# KiCad board brew-keeb-v2.kicad_pcb (continued)
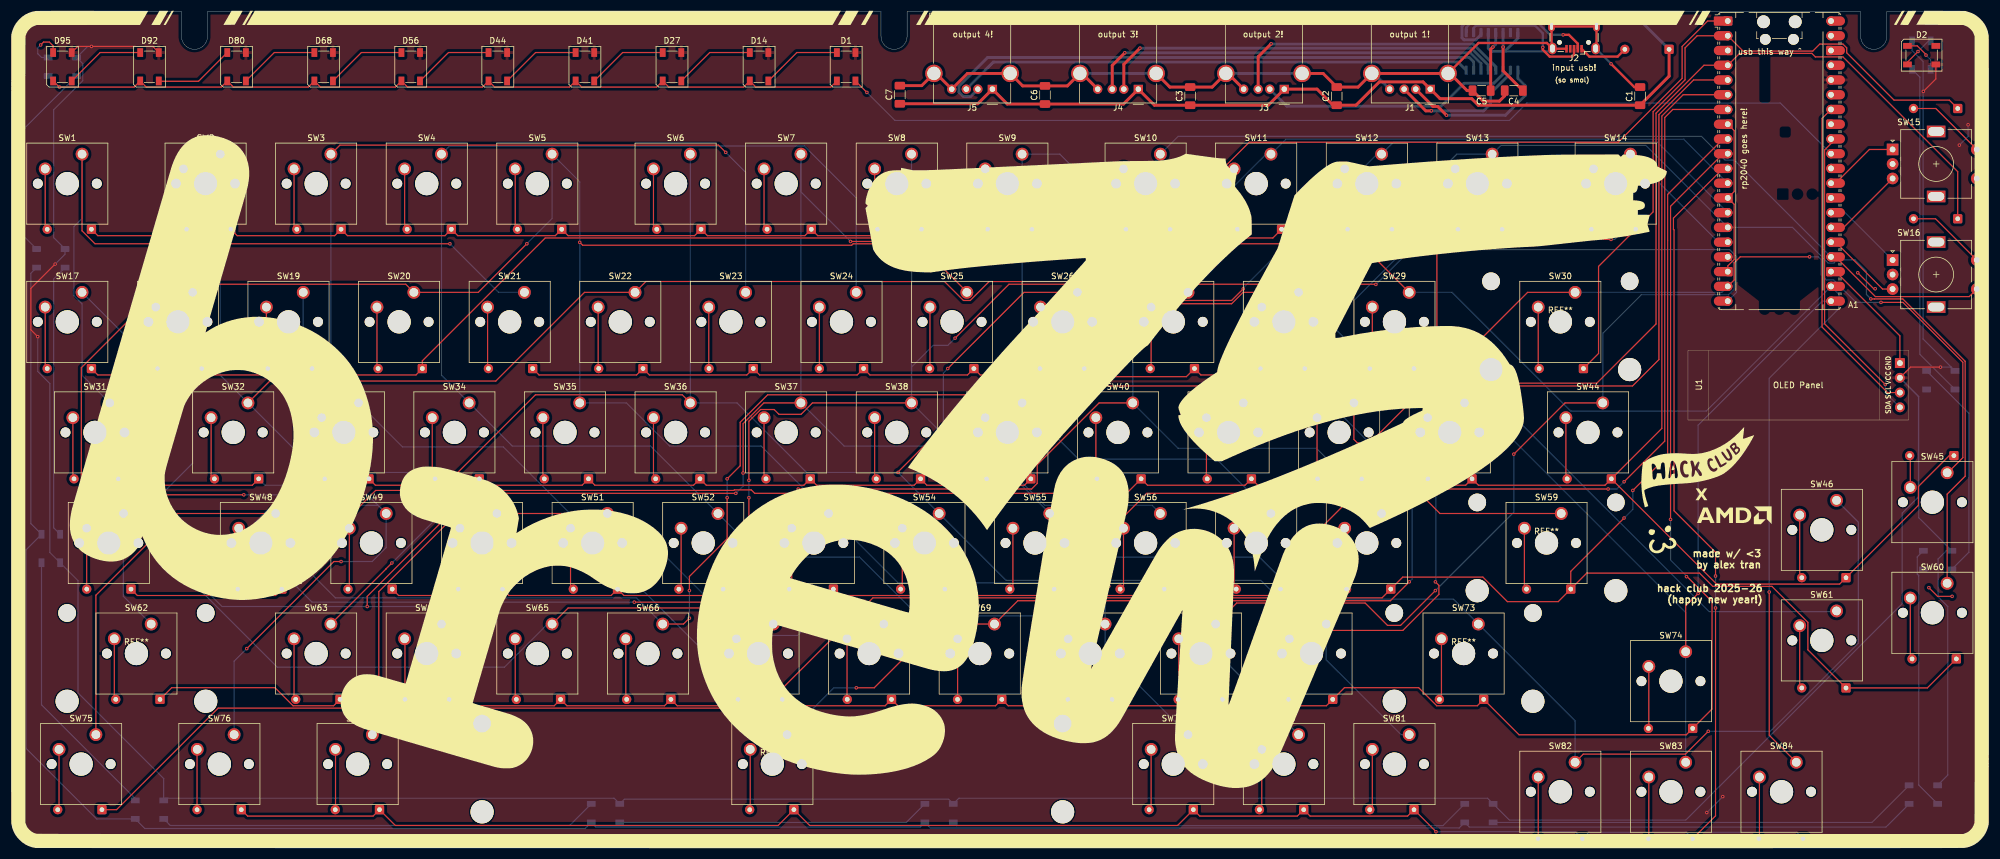
[diagram p0: board, top side]
## Nets (continued)
ROW 2: A1.2 D17.1 D18.1 D19.1 D20.1 D21.1 D22.1 D23.1 D24.1 D25.1 D26.1
ROW 3: A1.4 D31.1 D32.1 D33.1 D34.1 D35.1 D36.1 D37.1 D38.1 D39.1 D40.1
ROW 4: A1.5 D47.1 D48.1 D49.1 D50.1 D51.1 D52.1 D53.1 D54.1 D55.1
ROW 5: A1.6 D59.1 D60.1 D61.1 D62.1 D63.1 D64.1 D65.1 D66.1 D67.1
ROW 6: A1.7 D71.1 D72.1 D73.1 D74.1 D75.1 D76.1 D77.1 D78.1 D79.1
ROW 7: A1.9 D83.1 D84.1 D85.1 D86.1 D87.1 D88.1 D89.1 D90.1 D91.1
ROW 8: A1.10 D98.1 D99.1 D100.1 D101.1 D102.1 D103.1 D104.1 D105.1 D106.1
ROW 9: A1.11 D110.1 D111.1 D112.1 D113.1 D114.1 D115.1 D116.1 D117.1 D118.1
SCL: A1.34 U1.3
SDA: A1.32 U1.4
Net-(D1-DOUT): D1.4 D14.2
Net-(D4-A): D4.2 SW1.2
Net-(D5-A): D5.2 SW2.2
Net-(D6-A): D6.2 SW3.2
Net-(D7-A): D7.2 SW4.2
Net-(D8-A): D8.2 SW5.2
Net-(D9-A): D9.2 SW6.2
Net-(D10-A): D10.2 SW7.2
Net-(D11-A): D11.2 SW8.2
Net-(D12-A): D12.2 SW9.2
Net-(D13-A): D13.2 SW10.2
Net-(D14-DOUT): D14.4 D27.2
Net-(D15-DIN): D15.2 D28.4
Net-(D15-DOUT): D2.2 D15.4
Net-(D17-A): D17.2 SW11.2
Net-(D18-A): D18.2 SW12.2
Net-(D19-A): D19.2 SW13.2
Net-(D20-A): D20.2 SW14.2
Net-(D21-A): D21.2 SW20.2
Net-(D22-A): D22.2 SW30.2
Net-(D23-A): D23.2 SW17.2
Net-(D24-A): D24.2 SW18.2
Net-(D25-A): D25.2 SW19.2
Net-(D27-DOUT): D27.4 D41.2
Net-(D28-DIN): D28.2 D42.4
Net-(D30-A): D30.2 J2.1
Net-(D31-A): D31.2 SW21.2
Net-(D32-A): D32.2 SW22.2
Net-(D33-A): D33.2 SW23.2
Net-(D34-A): D34.2 SW24.2
Net-(D35-A): D35.2 SW25.2
Net-(D36-A): D36.2 SW26.2
Net-(D37-A): D37.2 SW27.2
Net-(D38-A): D38.2 SW28.2
Net-(D39-A): D39.2 SW29.2
Net-(D41-DOUT): D41.4 D44.2
Net-(D42-DIN): D42.2 D45.4
Net-(D44-DOUT): D44.4 D56.2
Net-(D45-DIN): D45.2 D57.4
Net-(D47-A): D47.2 SW31.2
Net-(D48-A): D48.2 SW32.2
Net-(D49-A): D49.2 SW33.2
Net-(D50-A): D50.2 SW34.2
Net-(D51-A): D51.2 SW35.2
Net-(D52-A): D52.2 SW36.2
Net-(D53-A): D53.2 SW37.2
Net-(D54-A): D54.2 SW38.2
Net-(D55-A): D55.2 SW39.2
Net-(D56-DOUT): D56.4 D68.2
Net-(D57-DIN): D57.2 D69.4
Net-(D59-A): D59.2 SW40.2
Net-(D60-A): D60.2 SW41.2
Net-(D61-A): D61.2 SW42.2
Net-(D62-A): D62.2 SW43.2
Net-(D63-A): D63.2 SW44.2
Net-(D64-A): D64.2 SW45.2
Net-(D65-A): D65.2 SW46.2
Net-(D66-A): D66.2 SW47.2
Net-(D67-A): D67.2 SW48.2
Net-(D68-DOUT): D68.4 D80.2
Net-(D69-DIN): D69.2 D81.4
Net-(D71-A): D71.2 SW49.2
Net-(D72-A): D72.2 SW50.2
Net-(D73-A): D73.2 SW51.2
Net-(D74-A): D74.2 SW52.2
Net-(D75-A): D75.2 SW53.2
Net-(D76-A): D76.2 SW54.2
Net-(D77-A): D77.2 SW55.2
Net-(D78-A): D78.2 SW56.2
Net-(D79-A): D79.2 SW57.2
Net-(D80-DOUT): D80.4 D92.2
Net-(D81-DIN): D81.2 D93.4
Net-(D83-A): D83.2 SW58.2
Net-(D84-A): D84.2 SW59.2
Net-(D85-A): D85.2 SW60.2
Net-(D86-A): D86.2 SW61.2
Net-(D87-A): D87.2 SW62.2
Net-(D88-A): D88.2 SW63.2
Net-(D89-A): D89.2 SW64.2
Net-(D90-A): D90.2 SW65.2
Net-(D91-A): D91.2 SW66.2
Net-(D92-DOUT): D92.4 D95.2
Net-(D93-DIN): D93.2 D96.4
Net-(D98-A): D98.2 SW67.2
Net-(D99-A): D99.2 SW68.2
Net-(D100-A): D100.2 SW69.2
Net-(D101-A): D101.2 SW70.2
Net-(D102-A): D102.2 SW71.2
Net-(D103-A): D103.2 SW72.2
Net-(D104-A): D104.2 SW73.2
Net-(D105-A): D105.2 SW74.2
Net-(D106-A): D106.2 SW75.2
Net-(D107-DIN): D95.4 D107.2
Net-(D107-DOUT): D107.4 D108.2
Net-(D108-DOUT): D96.2 D108.4
Net-(D110-A): D110.2 SW76.2
Net-(D111-A): D111.2 SW77.2
Net-(D112-A): D112.2 SW78.2
Net-(D113-A): D113.2 SW79.2
Net-(D114-A): D114.2 SW80.2
Net-(D115-A): D115.2 SW81.2
Net-(D116-A): D116.2 SW82.2
Net-(D117-A): D117.2 SW83.2
Net-(D118-A): D118.2 SW84.2
Net-(J1-D+): J1.3 U2.2
Net-(J1-D-): J1.2 U2.1
Net-(J3-D+): J3.3 U2.4
Net-(J3-D-): J3.2 U2.3
Net-(J4-D+): J4.3 U2.6
Net-(J4-D-): J4.2 U2.5
Net-(J5-D+): J5.3 U2.8
Net-(J5-D-): J5.2 U2.7
Net-(U2-VDD3): C5.1 U2.13
Net-(U2-VDD18): C4.1 U2.14

Pads without a net: A1 30 33 35 37 39 40; D2 4; J2 4; SW15 MP; SW16 MP; U2 15

## Via types
v1: diameter 0.6, hole 0.3, Top to Bottom, 97 vias

## Routing (per net, layer and track width the routed paths; a pad name or vN(x,y) marks a point on that pad's centre or on a via; arc(x,y) is an arc through that point)
+3.3V: length 682.3
  Top w0.2: D95.3 11.4,138 v1(13.75,138) 24.3,138 D92.3 ; v1(332.25,82.75) 327.1,82.75 U1.2 ; 54.3,138 54.3,138 ; v1(7.5,100.5) 3.31,96.31 3.31,89.19 v1(4.5,88) ; 331.9,134.9 D2.3 331.45,132.4 v1(329.3,130.25)
  Bottom w0.2: v1(337,124.5) 337,122.5 v1(335.5,121) ; v1(4.5,88) 4.5,82 6.59,79.91 6.59,50.81 D96.3 11.44,45.96 11.44,26.62 26.2,11.85 D93.3 26.57,8.47 103.78,8.47 D81.3 105.55,8.3 161.4,8.3 D69.3 163.17,8.47 254.23,8.47 D57.3 258,4.7 288.36,4.7 325.65,41.99 325.65,57.59 328.45,60.39 328.45,77.71 U1.2 328.5,77.66 328.5,56.8 D42.3 333.25,51.1 331.83,49.68 331.83,43.17 333.5,41.5 333.5,12.45 D45.3 ; D15.3 327.35,137.3 329.25,135.4 329.25,87.6 334.05,82.8 ; 334.05,82.8 D28.3 ; 334.05,82.8 334,82.75 v1(332.25,82.75) ; v1(13.75,138) 13.1,138 D107.3 12.25,135.05 12.25,132.1 7.24,127.09 7.24,105.06 D108.3 9.2,102.2 v1(7.5,100.5) ; v1(292,6) v1(294.75,8.75)
+5V: length 193.9
  Top w0.5: C7.1 166.42,128.12 J5.1 171.5,128.08 C6.1 191.52,128.08 J4.1 196.85,127.87 C3.1 216.45,127.87 J3.1 224.86,130.64 227.63,127.87 C2.1 231.57,127.87 235.59,131.89 243.11,131.89 J1.1 244.41,130.64 246.05,129 251.51,129 252.63,127.87 C1.1 285.5,132.87 D30.1
  Bottom w0.5: D30.1 279.96,143.04 251.42,143.04 249.83,141.46 249.83,139.48 250.17,139.14 252.21,139.14 253.1,140.02 U2.11
GND: length 628.8
  Top w0.2: A1.8 296.71,123.5 296.71,113 A1.13 296.71,110.8 296.71,101.28 295.61,100.18 A1.18 ; v1(334.25,43.25) 331.75,43.25 v1(330.25,44.75) ; A1.23 314.19,99.2 325.25,88.14 325.25,83.44 ; v1(321,96.25) 320.75,96.25 v1(318,99) ; 7.15,131.65 D95.1 8.2,131 21.1,131 D92.1 23.2,131 36.1,131 D80.1 38.2,131 51.1,131 D68.1 53.2,131 66.1,131 D56.1 68.2,131 81.1,131 D44.1 83.2,131 96.1,131 D41.1 98.2,131 111.1,131 D27.1 113.2,131 126.1,131 D14.1 128.2,131 141.1,131 D1.1 ; v1(329.75,136.5) 329.75,136.6 328.25,138.1 D2.1
  Bottom w0.2: D107.1 8.2,131 ; D45.1 322.85,3.5 251.1,3.5 D57.1 249.35,3.35 158.25,3.35 D69.1 156.5,3.5 100.65,3.5 D81.1 98.8,3.25 22.95,3.25 D93.1 14.65,4.9 2.5,17.05 2.5,51.3 D96.1 3.31,55.79 3.31,98.91 D108.1 ; D15.1 330.55,135.7 v1(329.75,136.5)
  vias: v1(8.25,131)
GND1: length 195.9
  Top w0.4: v1(275.5,135) 279.5,131 C1.2 ; J2.6 273,137.8 J2.6 J2.6 265.25,137.8 J2.6 ; J1.5 252.68,138.6 264.45,138.6 J2.6 ; J2.6 265.45,137.6 J2.5
  Top w0.5: C4.2 257.19,129.49 256.27,128.57 253.46,128.57 C5.2 ; J3.5 225.9,133.35 C2.2 231.94,131 J1.5 J1.5 247.75,133.35 250.71,130.39 251.11,130.39 ; C7.2 156.77,131.25 J5.5 159.23,133.35 J5.4 164.65,133.35 J5.5 174.16,131.2 C6.2 181.86,131.2 J4.5 184.37,133.35 J4.4 ; J3.4 209.51,133.35 J3.5 206.8,131 C3.2 199.5,131 J4.5
  Bottom w0.4: 257.22,137.15 264.9,137.15 J2.6 ; J2.6 v1(275.5,135)
  Bottom w0.5: J4.5 J4.5 ; J1.4 234.65,133.35 J1.5 ; J5.4 161.58,130.64 ; U2.16 259.44,139.38 257.22,137.15 254.84,137.15 254.37,137.62 U2.12 ; J3.5 J3.5
COL 1: length 659.8
  Top w0.2: v1(135.5,61.75) 175.7,61.75 176.66,62.71 176.66,65.92 187.32,76.58 SW40.1 ; v1(107.25,42.25) 127.43,42.25 SW67.1 ; v1(130.25,51.25) v1(130.25,44.75) ; v1(56.75,49.25) 55.5,49.25 v1(40.5,34.25) ; v1(40,60.75) 19.23,60.75 16.9,63.09 SW31.1 ; v1(75.5,104) 14.36,104 12.13,106.23 SW1.1
  Bottom w0.2: v1(40,60.75) 61.3,60.75 SW49.1 ; A1.12 288.05,122 219.48,122 SW11.1 216.08,119.44 193.11,96.47 SW40.1 200.94,68.75 224.75,68.75 SW58.1 ; v1(56.75,49.25) 62.11,49.25 64.52,51.67 SW49.1 ; SW67.1 131.2,43.8 v1(130.25,44.75) ; v1(130.25,51.25) 130.25,56.5 v1(135.5,61.75) ; SW49.1 63.12,58.93 44.89,58.93 40.58,54.62 40.58,51.48 41.96,50.1 43.91,50.1 51.76,42.25 v1(107.25,42.25) ; SW21.1 83.87,95.63 v1(75.5,104) ; v1(40.5,34.25) 38.33,32.08 SW76.1 ; SW1.1 12.13,108.36 10.73,106.96 10.73,95.05 12.13,93.65 12.13,81.34 SW31.1
COL 2: length 589.2
  Top w0.2: SW59.1 246.02,57.53 v1(242.53,61.03) ; v1(103.5,55.25) 97.99,55.25 95.71,57.53 SW50.1 76.7,57.53 63.25,44.08 v1(63.25,27.75) ; SW32.1 44.48,80.35 83.4,80.35 98.68,95.63 SW22.1 109.25,97.5 149.98,97.5 149.99,97.49 160.69,97.49 163.95,94.23 165.12,94.23 168.38,97.49 198.79,97.49 202.05,94.23 210.14,94.23 v1(212.16,96.25)
  Bottom w0.2: SW50.1 76.5,64.6 52.69,64.6 SW32.1 35.95,81.34 SW2.1 ; v1(63.25,27.75) 63.25,20.54 SW77.1 ; v1(103.5,55.25) 107.52,55.25 126.25,36.52 135.4,36.52 137.36,38.48 SW68.1 ; v1(242.53,61.03) 226.97,76.58 SW41.1 v1(212.16,96.25) 212.16,96.41 235.19,119.44 SW12.1 238.03,121.5 283.47,121.5 A1.14
COL 3: length 590.7
  Top w0.2: v1(240.75,45.75) 237.5,42.5 173.32,42.5 SW69.1 159.57,38.48 148.59,27.5 v1(145.5,27.5) ; SW42.1 231.21,70.29 v1(232,69.5) ; SW60.1 333.4,60.86 336.5,63.96 336.5,83.75 325.75,94.5 320.86,94.5 320.86,94.5 v1(320.25,94.5) ; v1(231.25,84.5) v1(231.25,87.75) ; v1(123,119.75) 121.75,121 56.56,121 SW3.1
  Bottom w0.2: v1(232,69.5) 241.25,60.25 241.25,46.25 v1(240.75,45.75) ; SW42.1 231.21,84.46 v1(231.25,84.5) ; v1(231.25,87.75) 231.25,94.25 246.2,109.2 246.2,116.7 248.94,119.44 SW13.1 256.53,120.95 281.48,120.95 A1.15 306.75,106.82 312.93,100.64 313.85,100.64 314.46,101.25 317.5,101.25 319.5,99.25 319.5,95.25 v1(320.25,94.5) ; v1(123,119.75) 126.44,116.31 SW23.1 ; SW3.1 55,81.34 SW33.1 67.34,69 84.69,69 96.16,57.53 SW51.1 102.62,50.39 SW78.1 141.65,27.5 v1(145.5,27.5)
COL 4: length 553.2
  Top w0.2: v1(189,45) 189,54.45 195.55,61 v1(227.75,61) ; v1(245.5,82.25) 245.5,103.5 246.75,104.75 v1(275.5,104.75) ; v1(256.42,76.58) SW43.1 240.83,76.58 v1(227.75,63.5)
  Bottom w0.2: SW70.1 188.35,44.35 v1(189,45) ; SW70.1 188.35,33.72 SW79.1 ; SW70.1 186.95,39.88 156.19,39.88 146.07,50 129.2,50 SW52.1 110.05,69.15 86.24,69.15 SW34.1 74.05,81.34 SW4.1 75.45,120.84 136.54,120.84 145.49,111.9 SW24.1 ; v1(256.42,76.58) 292.37,40.63 314.24,40.63 SW61.1 ; v1(245.5,82.25) 250.26,77.49 SW43.1 ; v1(275.5,104.75) 276.11,104.75 278.83,107.47 SW14.1 294,104.28 A1.16 ; v1(227.75,63.5) v1(227.75,61)
COL 5: length 554.1
  Top w0.2: v1(97.86,104.25) 98.36,103.75 144.7,103.75 144.95,104 156.25,104 164.53,95.72 SW25.1 ; v1(19.25,55) 12.01,62.24 12.01,82.64 26.39,97.03 67.88,97.03 SW20.1 80.38,95.63 v1(88.75,104) ; v1(245.25,44.25) 239.25,38.25 237,38.25 233.15,42.1 211.02,42.1 SW71.1 ; SW44.1 267.58,76.58 v1(258.75,67.75)
  Bottom w0.2: v1(245.25,44.25) 258.75,57.75 v1(258.75,67.75) ; v1(19.25,55) 19.25,43.27 SW62.1 ; SW80.1 207.4,33.72 SW71.1 200.28,45.6 152.65,45.6 SW53.1 129.1,69.15 113.34,69.15 105.91,76.58 SW35.1 v1(97.86,104.25) 97.86,114.68 SW5.1 93.1,108.35 v1(88.75,104) ; A1.17 296.72,100.63 296.72,96.21 295.74,95.23 280.73,95.23 274.07,88.57 SW44.1
COL 6: length 514.4
  Top w0.2: v1(65.5,49) 64.5,48 64.5,47.98 SW63.1 ; SW45.1 333.5,64.55 336.1,67.15 336.1,83.58 325.78,93.9 v1(322,93.9) ; v1(160.5,72.5) 152.7,64.7 v1(152.7,64.6) ; SW26.1 174.38,95.63 v1(161.25,82.5) ; v1(245.25,45.75) 245.85,45.15 245.85,43.6 239.63,37.38 227.55,37.38 SW72.1 ; v1(75.75,63.5) 90.23,77.98 115.51,77.98 SW36.1 ; A1.19 296.72,97.77 296.72,100.71 297.76,101.75 v1(309.7,101.75) ; v1(246,80.58) 246.08,80.58 261.13,95.63 SW30.1
  Bottom w0.2: SW30.1 294.58,95.63 A1.19 ; v1(160.5,72.5) 160.5,81.75 v1(161.25,82.5) ; SW6.1 SW36.1 124.96,76.58 136.94,64.6 v1(152.7,64.6) SW54.1 171.3,46 215.17,46 222.69,38.48 SW72.1 226.45,32.3 239.32,19.43 SW81.1 ; v1(322,93.9) 317.71,93.9 313.85,97.76 312.59,97.76 311.7,98.65 311.7,101.29 311.24,101.75 v1(309.7,101.75) ; v1(246,80.58) 246,80.5 245.31,79.81 245.31,45.81 v1(245.25,45.75) ; v1(65.5,49) 75.75,59.25 v1(75.75,63.5)
COL 7: length 675.9
  Top w0.2: v1(61.25,41.5) 61.25,43.25 79,61 v1(124.75,61) ; SW37.1 129.58,76.58 126,73 v1(126,64.5) ; SW82.1 270.71,16.07 288.32,16.07 v1(292.25,20) ; v1(235,97) 234.97,97.03 204.04,97.03 SW27.1 193.87,104.4 v1(144.5,104.4)
  Bottom w0.2: v1(235,97) 241,103 295.91,103 297.12,101.79 297.12,95.63 A1.20 ; v1(144.5,104.4) 135.96,112.94 SW7.1 SW37.1 143.39,69.15 167.2,69.15 SW55.1 186.35,50 214.95,50 222.2,42.75 248.37,42.75 SW73.1 269.31,21.81 SW82.1 ; v1(292.25,20) 302.93,20 318.09,35.16 318.09,56.05 SW46.1 ; v1(126,64.5) 126,62.25 v1(124.75,61) ; SW64.1 71.03,41.5 v1(61.25,41.5) 36.25,41.5 20.68,57.07 20.68,87.09 SW17.1
COL 8: length 589.7
  Top w0.2: v1(127,60.25) 127,53 124.5,50.5 v1(124.5,44.5) ; SW74.1 288.36,41.61 v1(290.5,43.75) ; v1(123.75,41.25) 95.87,41.25 SW65.1 ; v1(127,63.25) 127,73.43 129.01,75.44 131.35,75.44 132.17,74.62 135.98,74.62 137.94,76.58 SW38.1 ; v1(22.5,57.5) 22.47,57.53 SW47.1 ; v1(162.51,87.74) 171.8,97.03 194.33,97.03 197.69,93.67 210.15,93.67 212.11,95.63 SW28.1
  Bottom w0.2: SW28.1 232.84,84.48 244.35,84.48 288.36,40.46 SW74.1 SW83.1 ; SW47.1 45.76,31.05 84.88,31.05 92.31,38.48 SW65.1 ; A1.21 311.87,94.12 290.5,72.75 v1(290.5,43.75) ; SW38.1 155.01,82.76 158.74,86.49 161.26,86.49 v1(162.51,87.74) ; SW38.1 161.59,70 166.92,70 177.99,58.93 196.47,58.93 SW56.1 ; SW38.1 SW8.1 ; v1(124.5,44.5) 124.5,42 v1(123.75,41.25) ; v1(127,60.25) v1(127,63.25) ; v1(22.5,57.5) 31.19,66.19 SW18.1
COL 9: length 621.1
  Top w0.2: v1(116.75,44.25) 116.75,46.69 123.25,53.19 v1(123.25,60.25) ; SW66.1 115.73,38.48 v1(116.75,39.5) ; SW75.1 14.52,43.45 28.6,57.53 SW48.1 49,61.06 v1(49,79.75) ; v1(302.75,44) 302.75,19.33 SW84.1 ; v1(196,104) 232.37,104 SW29.1 ; SW39.1 172.66,77.98 130.23,77.98 125.5,73.25 125.5,65.75 v1(123.25,63.5)
  Bottom w0.2: v1(302.75,44) 302.75,80.84 314.75,92.84 314.75,95.3 A1.22 291.91,75.18 268.56,75.18 248.11,95.63 SW29.1 ; v1(116.75,44.25) v1(116.75,39.5) ; v1(196,104) 180.56,119.44 SW9.1 SW39.1 183.75,66.89 207.57,66.89 SW57.1 ; SW66.1 107.63,43 55.76,43 45.47,53.29 SW48.1 ; v1(49,79.75) 50.23,80.98 SW19.1 ; v1(123.25,63.5) v1(123.25,60.25)
COL 10: length 173.2
  Top w0.2: SW15.S1 339.8,113.95 339.8,97.5 SW16.S1 337.2,94.9 321.03,94.9 A1.24
  Bottom w0.2: A1.24 296.71,118.42 295.15,118.42 291.07,122.5 200.93,122.5 SW10.1
IN+: length 23.7
  Top w0.4: J2.3 269.12,136.55 268.82,136.25 264.93,136.25 263.75,137.43 v1(263.75,137.85)
  Bottom w0.4: U2.10 251.82,141.19 252.23,141.59 262.41,141.59 263.75,140.25 v1(263.75,137.85)
  Bottom w0.5: 251.82,140.76 U2.10
IN-: length 23
  Top w0.4: J2.2 269.77,138.47 268.25,140 v1(267.25,140)
  Bottom w0.4: v1(267.25,140) 264.99,140 262.7,142.29 251.59,142.29 250.56,141.26 U2.9
KNB-1-A: length 12.2
  Top w0.2: A1.29 320,120.25 SW15.A
KNB-1-B: length 13.3
  Top w0.2: SW15.B 315.57,106.82 A1.26
KNB-1-OUT: length 13.8
  Top w0.2: D40.2 331.39,108.31 SW16.S2
KNB-2-A: length 14
  Bottom w0.2: A1.27 315.84,109.36 SW16.A
KNB-2-B: length 13.2
  Top w0.2: SW16.B 322.27,96.2 A1.25
KNB-2-OUT: length 13.8
  Top w0.2: SW15.S2 331.44,127.31 D26.2
LED: length 175.7
  Top w0.2: v1(147.32,130.07) D1.2
  Bottom w0.2: A1.31 304.66,128.25 261,128.25 258,125.25 152.15,125.25 v1(147.32,130.07)
ROW 1: length 308.2
  Top w0.2: A1.1 292.13,142.38 287.75,138 287.75,132.5 276.75,121.5 213.19,121.5 199.56,107.87 D13.1 198.46,105.4 176.85,105.4 D12.1 174.65,105.4 157.85,105.4 D11.1 155.65,105.4 138.85,105.4 D10.1 136.65,105.4 119.85,105.4 D9.1 117.65,105.4 95.85,105.4 D8.1 93.65,105.4 76.85,105.4 D7.1 74.65,105.4 57.85,105.4 D6.1 55.65,105.4 38.85,105.4 D5.1 36.65,105.4 14.85,105.4 D4.1
ROW 2: length 398.4
  Top w0.2: D26.1 333.77,128.75 324.25,128.75 316.1,136.9 316.1,137.76 315.45,138.41 311.45,138.41 310.25,137.2 298.25,137.2 A1.2 ; D20.1 282.75,109.5 282.75,126.75 288.25,132.25 288.25,137.75 290.34,139.84 A1.2 ; D20.1 278.65,105.4 257.85,105.4 D19.1 255.65,105.4 238.85,105.4 D18.1 236.65,105.4 219.85,105.4 D17.1 217.25,105 91.91,105 70.75,83.84 D21.1 69.65,81.4 52.85,81.4 D25.1 50.65,81.4 33.85,81.4 D24.1 31.65,81.4 14.85,81.4 D23.1 ; D20.1 273.35,100.1 273.35,85.1 D22.1
ROW 3: length 314.6
  Top w0.2: D31.1 90.85,81.4 107.65,81.4 D32.1 109.85,81.4 126.65,81.4 D33.1 128.85,81.4 145.65,81.4 D34.1 147.85,81.4 164.65,81.4 D35.1 166.85,81.4 183.65,81.4 D36.1 186.15,81.1 202.35,81.1 D37.1 204.85,81.4 221.65,81.4 D38.1 223.85,81.4 240.46,81.4 D39.1 244.08,79.98 273.05,79.98 283.25,90.18 283.25,126.5 291.51,134.76 A1.4 ; D40.1 335.21,116.43 315.45,136.19 310.69,136.19 310.08,136.8 297.65,136.8 A1.4
ROW 4: length 339.2
  Top w0.2: D48.1 41.46,62.4 19.47,62.4 D47.1 ; A1.5 289.72,132.22 283.75,126.25 283.75,84.05 279.2,79.5 187.75,79.5 175.56,67.31 D55.1 174.46,62.4 157.66,62.4 D54.1 155.46,62.4 138.66,62.4 D53.1 136.46,62.4 119.66,62.4 D52.1 117.46,62.4 100.47,62.4 D51.1 98.27,62.4 81.66,62.4 D50.1 79.46,62.4 62.66,62.4 D49.1
  Bottom w0.2: D49.1 60.46,62.4 43.66,62.4 D48.1
ROW 5: length 424.2
  Top w0.2: D66.1 21.66,43.4 45.46,43.4 D67.1 46.56,45.36 62.7,61.5 124.4,61.5 124.5,61.6 127.4,61.6 128,61 192.06,61 D59.1 195.66,62.4 212.46,62.4 D60.1 214.66,62.4 231.46,62.4 D61.1 233.66,62.4 250.46,62.4 D62.1 252.66,62.4 274.46,62.4 D63.1 ; D63.1 284.25,72.19 284.25,126 287.93,129.68 A1.6 ; D63.1 293.69,45.37 314.87,45.37 D65.1 328.45,58.95 328.45,62.19 333.76,67.5 D64.1
ROW 6: length 305.5
  Top w0.2: v1(277.75,63) 284.75,70 284.75,125.75 286.14,127.14 A1.7 ; D71.1 66.66,43.4 83.46,43.4 D72.1 85.66,43.4 103.27,43.4 D73.1 105.47,43.4 121.46,43.4 D74.1 123.66,43.4 140.46,43.4 D75.1 142.66,43.4 159.65,43.4 D76.1 161.85,43.4 178.46,43.4 D77.1 180.66,43.4 197.46,43.4 D78.1 199.66,43.4 217.46,43.4 D79.1 218.56,48.06 232.25,61.75 v1(275,61.75)
  Bottom w0.2: v1(275,61.75) 276.5,61.75 v1(277.75,63)
ROW 7: length 429.6
  Top w0.2: v1(279.25,61.5) 285.25,67.5 285.25,112.5 A1.9 ; v1(277.75,56.75) 268.56,47.56 D84.1 ; D84.1 266.4,42.34 257.65,42.34 253.42,46.57 239.63,46.57 D83.1 236.06,43 148.36,43 129.76,24.4 114.66,24.4 D91.1 112.46,24.4 95.66,24.4 D90.1 93.46,24.4 76.47,24.4 D89.1 74.27,24.4 57.66,24.4 D88.1 55.46,24.4 48.48,24.4 45.36,27.52 27.58,27.52 D87.1 ; D84.1 271.31,47.25 290.75,47.25 293.03,44.97 303.21,44.97 309.4,38.78 309.4,34.05 D86.1 329.98,27.47 D85.1
  Bottom w0.2: v1(279.25,61.5) 279.25,58.25 v1(277.75,56.75)
ROW 8: length 399.2
  Top w0.2: v1(285.75,56.5) 285.75,110.46 A1.10 ; v1(288.5,46.65) 288.6,46.65 292.9,42.35 292.9,23.84 D105.1 288.46,19.4 259.66,19.4 D104.1 252.46,24.4 245.48,24.4 242.36,27.52 229.58,27.52 D103.1 226.46,24.4 209.66,24.4 D102.1 207.46,24.4 190.66,24.4 D101.1 188.46,24.4 171.66,24.4 D100.1 169.46,24.4 152.66,24.4 D99.1 150.46,24.4 133.85,24.4 D98.1 131.25,24 35.58,24 18.08,6.5 D106.1
  Bottom w0.2: v1(288.5,46.65) 288.5,46.75 285.75,49.5 v1(285.75,56.5)
ROW 9: length 403.8
  Top w0.2: v1(293.5,46.75) 293.5,50.85 286.35,58 286.35,106.4 286.25,106.5 286.25,108.42 A1.11 ; D110.1 40.66,5.4 62.27,5.4 D111.1 66.09,3.78 132.03,3.78 D112.1 137.47,3.78 200.84,3.78 D113.1 204.66,5.4 221.46,5.4 D114.1 223.66,5.4 240.46,5.4 D115.1 245.35,2.71 v1(245.35,2.7) ; v1(293.5,41.25) 293.5,5.44 D117.1
  Bottom w0.2: v1(245.35,2.7) 269.36,2.7 D116.1 271.66,2.6 288.46,2.6 D117.1 290.66,2.6 307.46,2.6 D118.1 ; v1(293.5,46.75) v1(293.5,41.25)
SCL: length 56.2
  Top w0.2: A1.34 311.85,125.6 311.85,89.65 323.13,78.36 325.25,78.36
SDA: length 52.4
  Top w0.2: v1(322.75,79.75) 312.28,90.22 312.28,120.15 A1.32
  Bottom w0.2: v1(322.75,79.75) 322.75,78.33 U1.4
Net-(D1-DOUT): length 13.8
  Top w0.2: D14.2 135.25,136.95 D1.4
Net-(D4-A): length 10.5
  Top w0.2: SW1.2 5.78,106.84 D4.2
Net-(D5-A): length 10.6
  Top w0.2: D5.2 29.6,107.03 SW2.2
Net-(D6-A): length 10.6
  Top w0.2: D6.2 48.65,106.98 SW3.2
Net-(D7-A): length 10.6
  Top w0.2: D7.2 67.7,106.93 SW4.2
Net-(D8-A): length 10.6
  Top w0.2: SW5.2 86.75,106.88 D8.2
Net-(D9-A): length 10.6
  Top w0.2: D9.2 110.56,107.07 SW6.2
Net-(D10-A): length 10.6
  Top w0.2: D10.2 129.61,107.02 SW7.2
Net-(D11-A): length 10.6
  Top w0.2: SW8.2 148.66,106.97 D11.2
Net-(D12-A): length 10.6
  Top w0.2: D12.2 167.71,106.92 SW9.2
Net-(D13-A): length 10.6
  Top w0.2: D13.2 191.52,106.92 SW10.2
Net-(D14-DOUT): length 13.8
  Top w0.2: D27.2 120.25,136.95 D14.4
Net-(D15-DIN): length 58.2
  Bottom w0.2: D15.2 328.7,132.7 328.7,84.95 D28.4
Net-(D15-DOUT): length 5.9
  Top w0.2: D2.2 326.55,135.3 v1(328.38,137.12)
  Bottom w0.2: D15.4 330.2,138.95 v1(328.38,137.12)
Net-(D17-A): length 10.6
  Top w0.2: D17.2 210.57,107.06 SW11.2
Net-(D18-A): length 10.6
  Top w0.2: SW12.2 229.62,107.01 D18.2
Net-(D19-A): length 10.6
  Top w0.2: SW13.2 248.67,106.96 D19.2
Net-(D20-A): length 10.5
  Top w0.2: D20.2 272.49,106.86 272.49,116.9
Net-(D21-A): length 10.7
  Top w0.2: SW20.2 62.94,82.69 D21.2
Net-(D22-A): length 10.7
  Top w0.2: SW30.2 262.96,82.67 D22.2
Net-(D23-A): length 10.7
  Top w0.2: D23.2 5.78,82.84 SW17.2
Net-(D24-A): length 10.7
  Top w0.2: D24.2 24.84,82.8 SW18.2
Net-(D25-A): length 10.7
  Top w0.2: SW19.2 43.89,82.75 D25.2
Net-(D27-DOUT): length 13.8
  Top w0.2: D27.4 105.25,136.95 D41.2
Net-(D28-DIN): length 38.4
  Bottom w0.2: D42.4 337.14,50.84 337.14,74.81 D28.2
Net-(D30-A): length 8.5
  Top w0.4: J2.1 271.78,136.25 276.63,136.25 D30.2
Net-(D31-A): length 10.7
  Top w0.2: SW21.2 81.98,82.64 D31.2
Net-(D32-A): length 10.6
  Top w0.2: D32.2 101.03,82.59 SW22.2
Net-(D33-A): length 10.6
  Top w0.2: SW23.2 120.09,82.55 D33.2
Net-(D34-A): length 10.6
  Top w0.2: D34.2 139.13,82.5 139.13,93.09
Net-(D35-A): length 10.6
  Top w0.2: D35.2 158.19,82.56 SW25.2
Net-(D36-A): length 10.6
  Top w0.2: SW26.2 177.24,82.61 D36.2
Net-(D37-A): length 10.7
  Top w0.2: D37.2 196.28,82.66 SW27.2
Net-(D38-A): length 10.7
  Top w0.2: D38.2 215.34,82.7 SW28.2
Net-(D39-A): length 10.8
  Top w0.2: SW29.2 234.38,82.94 D39.2
Net-(D41-DOUT): length 13.8
  Top w0.2: D44.2 90.25,136.95 D41.4
Net-(D42-DIN): length 45.5
  Bottom w0.2: D42.2 328.25,50.05 328.25,47.1 328.5,46.85 328.5,10.75 D45.4
Net-(D44-DOUT): length 13.8
  Top w0.2: D56.2 75.25,136.95 D44.4
Net-(D45-DIN): length 74.3
  Bottom w0.2: D57.4 320.45,4.3 D45.2
Net-(D47-A): length 10.6
  Top w0.2: SW31.2 10.55,63.7 D47.2
Net-(D48-A): length 10.8
  Top w0.2: D48.2 34.36,64.08 SW32.2
Net-(D49-A): length 10.8
  Top w0.2: D49.2 53.41,64.03 SW33.2
Net-(D50-A): length 10.7
  Top w0.2: SW34.2 72.46,63.98 D50.2
Net-(D51-A): length 10.6
  Top w0.2: D51.2 91.51,63.74 SW35.2
Net-(D52-A): length 10.7
  Top w0.2: SW36.2 110.56,63.88 D52.2
Net-(D53-A): length 10.7
  Top w0.2: SW37.2 129.61,63.83 D53.2
Net-(D54-A): length 10.7
  Top w0.2: SW38.2 148.66,63.78 D54.2
Net-(D55-A): length 10.6
  Top w0.2: D55.2 167.71,63.73 SW39.2
Net-(D56-DOUT): length 13.8
  Top w0.2: D68.2 60.25,136.95 D56.4
Net-(D57-DIN): length 89.9
  Bottom w0.2: D69.4 162.75,3.75 246.55,3.75 D57.2
Net-(D59-A): length 10.6
  Top w0.2: SW40.2 186.76,63.68 D59.2
Net-(D60-A): length 10.6
  Top w0.2: D60.2 205.81,63.63 SW41.2
Net-(D61-A): length 10.6
  Top w0.2: D61.2 224.86,63.58 SW42.2
Net-(D62-A): length 10.6
  Top w0.2: SW43.2 243.91,63.53 D62.2
Net-(D63-A): length 10.6
  Top w0.2: SW44.2 267.72,63.72 D63.2
Net-(D64-A): length 5.5
  Top w0.2: D64.2 327.05,67.39 SW45.2
Net-(D65-A): length 10.9
  Top w0.2: SW46.2 308,46.83 D65.2
Net-(D66-A): length 10.5
  Top w0.2: SW47.2 12.93,44.51 D66.2
Net-(D67-A): length 10.6
  Top w0.2: SW48.2 39.12,44.68 D67.2
Net-(D68-DOUT): length 13.8
  Top w0.2: D80.2 45.25,136.95 D68.4
Net-(D69-DIN): length 53.9
  Bottom w0.2: D81.4 154.1,4.3 D69.2
Net-(D71-A): length 10.6
  Top w0.2: D71.2 58.17,44.73 SW49.2
Net-(D72-A): length 10.6
  Top w0.2: SW50.2 77.22,44.78 D72.2
Net-(D73-A): length 10.7
  Top w0.2: SW51.2 96.27,44.98 D73.2
Net-(D74-A): length 10.6
  Top w0.2: D74.2 115.32,44.88 SW52.2
Net-(D75-A): length 10.7
  Top w0.2: D75.2 134.37,44.93 SW53.2
Net-(D76-A): length 10.6
  Top w0.2: D76.2 153.42,44.79 SW54.2
Net-(D77-A): length 10.7
  Top w0.2: D77.2 172.47,45.03 SW55.2
Net-(D78-A): length 10.7
  Top w0.2: D78.2 191.52,45.08 SW56.2
Net-(D79-A): length 10.6
  Top w0.2: D79.2 210.57,44.87 SW57.2
Net-(D80-DOUT): length 13.9
  Top w0.2: D80.4 32.2,132 25.4,132 D92.2
Net-(D81-DIN): length 75.7
  Bottom w0.2: D93.4 27.32,3.78 96.13,3.78 D81.2
Net-(D83-A): length 10.6
  Top w0.2: SW58.2 229.62,44.82 D83.2
Net-(D84-A): length 10.6
  Top w0.2: SW59.2 260.58,44.86 D84.2
Net-(D85-A): length 10.6
  Top w0.2: D85.2 327.05,32.78 SW60.2
Net-(D86-A): length 10.9
  Top w0.2: SW61.2 308,27.83 D86.2
Net-(D87-A): length 10.5
  Top w0.2: D87.2 17.69,25.75 SW62.2
Net-(D88-A): length 10.6
  Top w0.2: D88.2 48.65,25.79 SW63.2
Net-(D89-A): length 10.5
  Top w0.2: D89.2 67.75,35.89 SW64.2
Net-(D90-A): length 10.5
  Top w0.2: SW65.2 86.75,25.69 D90.2
Net-(D91-A): length 10.5
  Top w0.2: D91.2 105.8,25.64 SW66.2
Net-(D92-DOUT): length 13.8
  Top w0.2: D95.2 15.25,136.95 D92.4
Net-(D93-DIN): length 47.6
  Bottom w0.2: D93.2 21.3,8.41 5.15,24.56 D96.4
Net-(D98-A): length 10.6
  Top w0.2: D98.2 124.85,25.78 SW67.2
Net-(D99-A): length 10.5
  Top w0.2: D99.2 143.9,25.54 SW68.2
Net-(D100-A): length 10.4
  Top w0.2: D100.2 162.95,25.51 SW69.2
Net-(D101-A): length 10.5
  Top w0.2: D101.2 182,25.56 SW70.2
Net-(D102-A): length 10.5
  Top w0.2: SW71.2 201.05,25.61 D102.2
Net-(D103-A): length 10.5
  Top w0.2: SW72.2 220.1,25.66 D103.2
Net-(D104-A): length 10.6
  Top w0.2: SW73.2 246.29,25.85 D104.2
Net-(D105-A): length 10.7
  Top w0.2: SW74.2 282.01,20.57 D105.2
Net-(D106-A): length 10.5
  Top w0.2: D106.2 8.17,6.73 SW75.2
Net-(D107-DIN): length 7.6
  Top w0.2: v1(5,138.25) 5.5,138.75 6.5,138.75 7.15,138.1 D95.4
  Bottom w0.2: D107.2 5.15,136.1 4.5,136.75 4.5,137.75 v1(5,138.25)
Net-(D107-DOUT): length 34.4
  Bottom w0.2: D108.2 2.25,105.15 2.25,123.95 D107.4
Net-(D108-DOUT): length 47.2
  Bottom w0.2: D108.4 7.24,97.94 7.24,55.06 D96.2
Net-(D110-A): length 10.4
  Top w0.2: SW76.2 31.94,16.85 D110.2
Net-(D111-A): length 10.4
  Top w0.2: D111.2 55.79,6.54 SW77.2
Net-(D112-A): length 10.4
  Top w0.2: D112.2 127.23,6.6 SW78.2
Net-(D113-A): length 10.5
  Top w0.2: SW79.2 196.28,6.84 D113.2
Net-(D114-A): length 10.6
  Top w0.2: D114.2 215.34,6.9 SW80.2
Net-(D115-A): length 10.6
  Top w0.2: D115.2 234.38,6.94 SW81.2
Net-(D116-A): length 10.6
  Top w0.2: SW82.2 262.96,1.52 D116.2
Net-(D117-A): length 10.7
  Top w0.2: D117.2 282.01,1.57 SW83.2
Net-(D118-A): length 10.7
  Top w0.2: SW84.2 301.06,1.62 D118.2
Net-(J1-D+): length 24.1
  Top w0.5: v1(244.55,126.9) 243.6,126.9 J1.3
  Bottom w0.5: v1(244.55,126.9) 253.55,126.9 254.75,128.1 254.75,129.95 258.18,133.38 U2.2
Net-(J1-D-): length 27
  Top w0.5: v1(247.15,126.15) 245.65,127.65 244.85,127.65 J1.2
  Bottom w0.5: v1(247.15,126.15) 257.31,126.15 260.71,129.54 260.71,131.24 259.44,132.5 U2.1
Net-(J3-D+): length 49.7
  Top w0.5: v1(216.95,138.45) 214.72,136.22 J3.3
  Bottom w0.5: v1(216.95,138.45) 217,138.4 251.74,138.4 255.63,134.51 U2.4
Net-(J3-D-): length 44.3
  Bottom w0.5: J3.2 219.66,127.7 246.25,127.7 250.19,131.64 255.29,131.64 256.9,133.25 U2.3
Net-(J4-D+): length 70.4
  Top w0.5: J4.3 189.58,134.73 v1(191.75,136.9)
  Bottom w0.5: U2.6 253.1,135.07 251.26,136.9 v1(191.75,136.9)
Net-(J4-D-): length 70.3
  Top w0.5: J4.2 191.58,134.93 v1(194.35,137.7)
  Bottom w0.5: U2.5 254.37,134.79 251.45,137.7 v1(194.35,137.7)
Net-(J5-D+): length 88.6
  Bottom w0.5: U2.8 249.14,135.3 169.1,135.3 J5.3
Net-(J5-D-): length 97.6
  Bottom w0.5: U2.7 251.82,135.34 251.07,136.1 168.13,136.1 163.19,131.16 163.19,130.12 163.92,129.39 165.19,129.39 J5.2
Net-(U2-VDD3): length 10.4
  Top w0.5: v1(255.15,137.9) 254.77,137.52 C5.1
  Bottom w0.5: v1(255.15,137.9) 255.63,138.38 U2.13
Net-(U2-VDD18): length 11.4
  Top w0.5: v1(256.9,137.9) 256.9,133.8 C4.1
  Bottom w0.5: v1(256.9,137.9) U2.14

## Copper pours and planes (outline as drawn; the poured copper is in the pictures)
+3.3V on Top: -5.75,168 349,168 351,-5 -9.75,-5.5
GND on Bottom: -4.5,167 351.25,168.5 352.5,-6.75 -11.25,-8.25

## Text on the board
B.Silkscreen: in memory of richard tu / rest easy friend | made through: | :D
F.Silkscreen: (so smol) | output 4! | output 3! | output 2! | output 1! | input usb! | usb this way ^ | rp2040 goes here! | made w/ <3 / by alex tran | hack club 2025-26 / (happy new year!) | X
